# Altium PCB ZYNQ_JTY_16CH.PcbDoc (part 3 of 4) (continued)
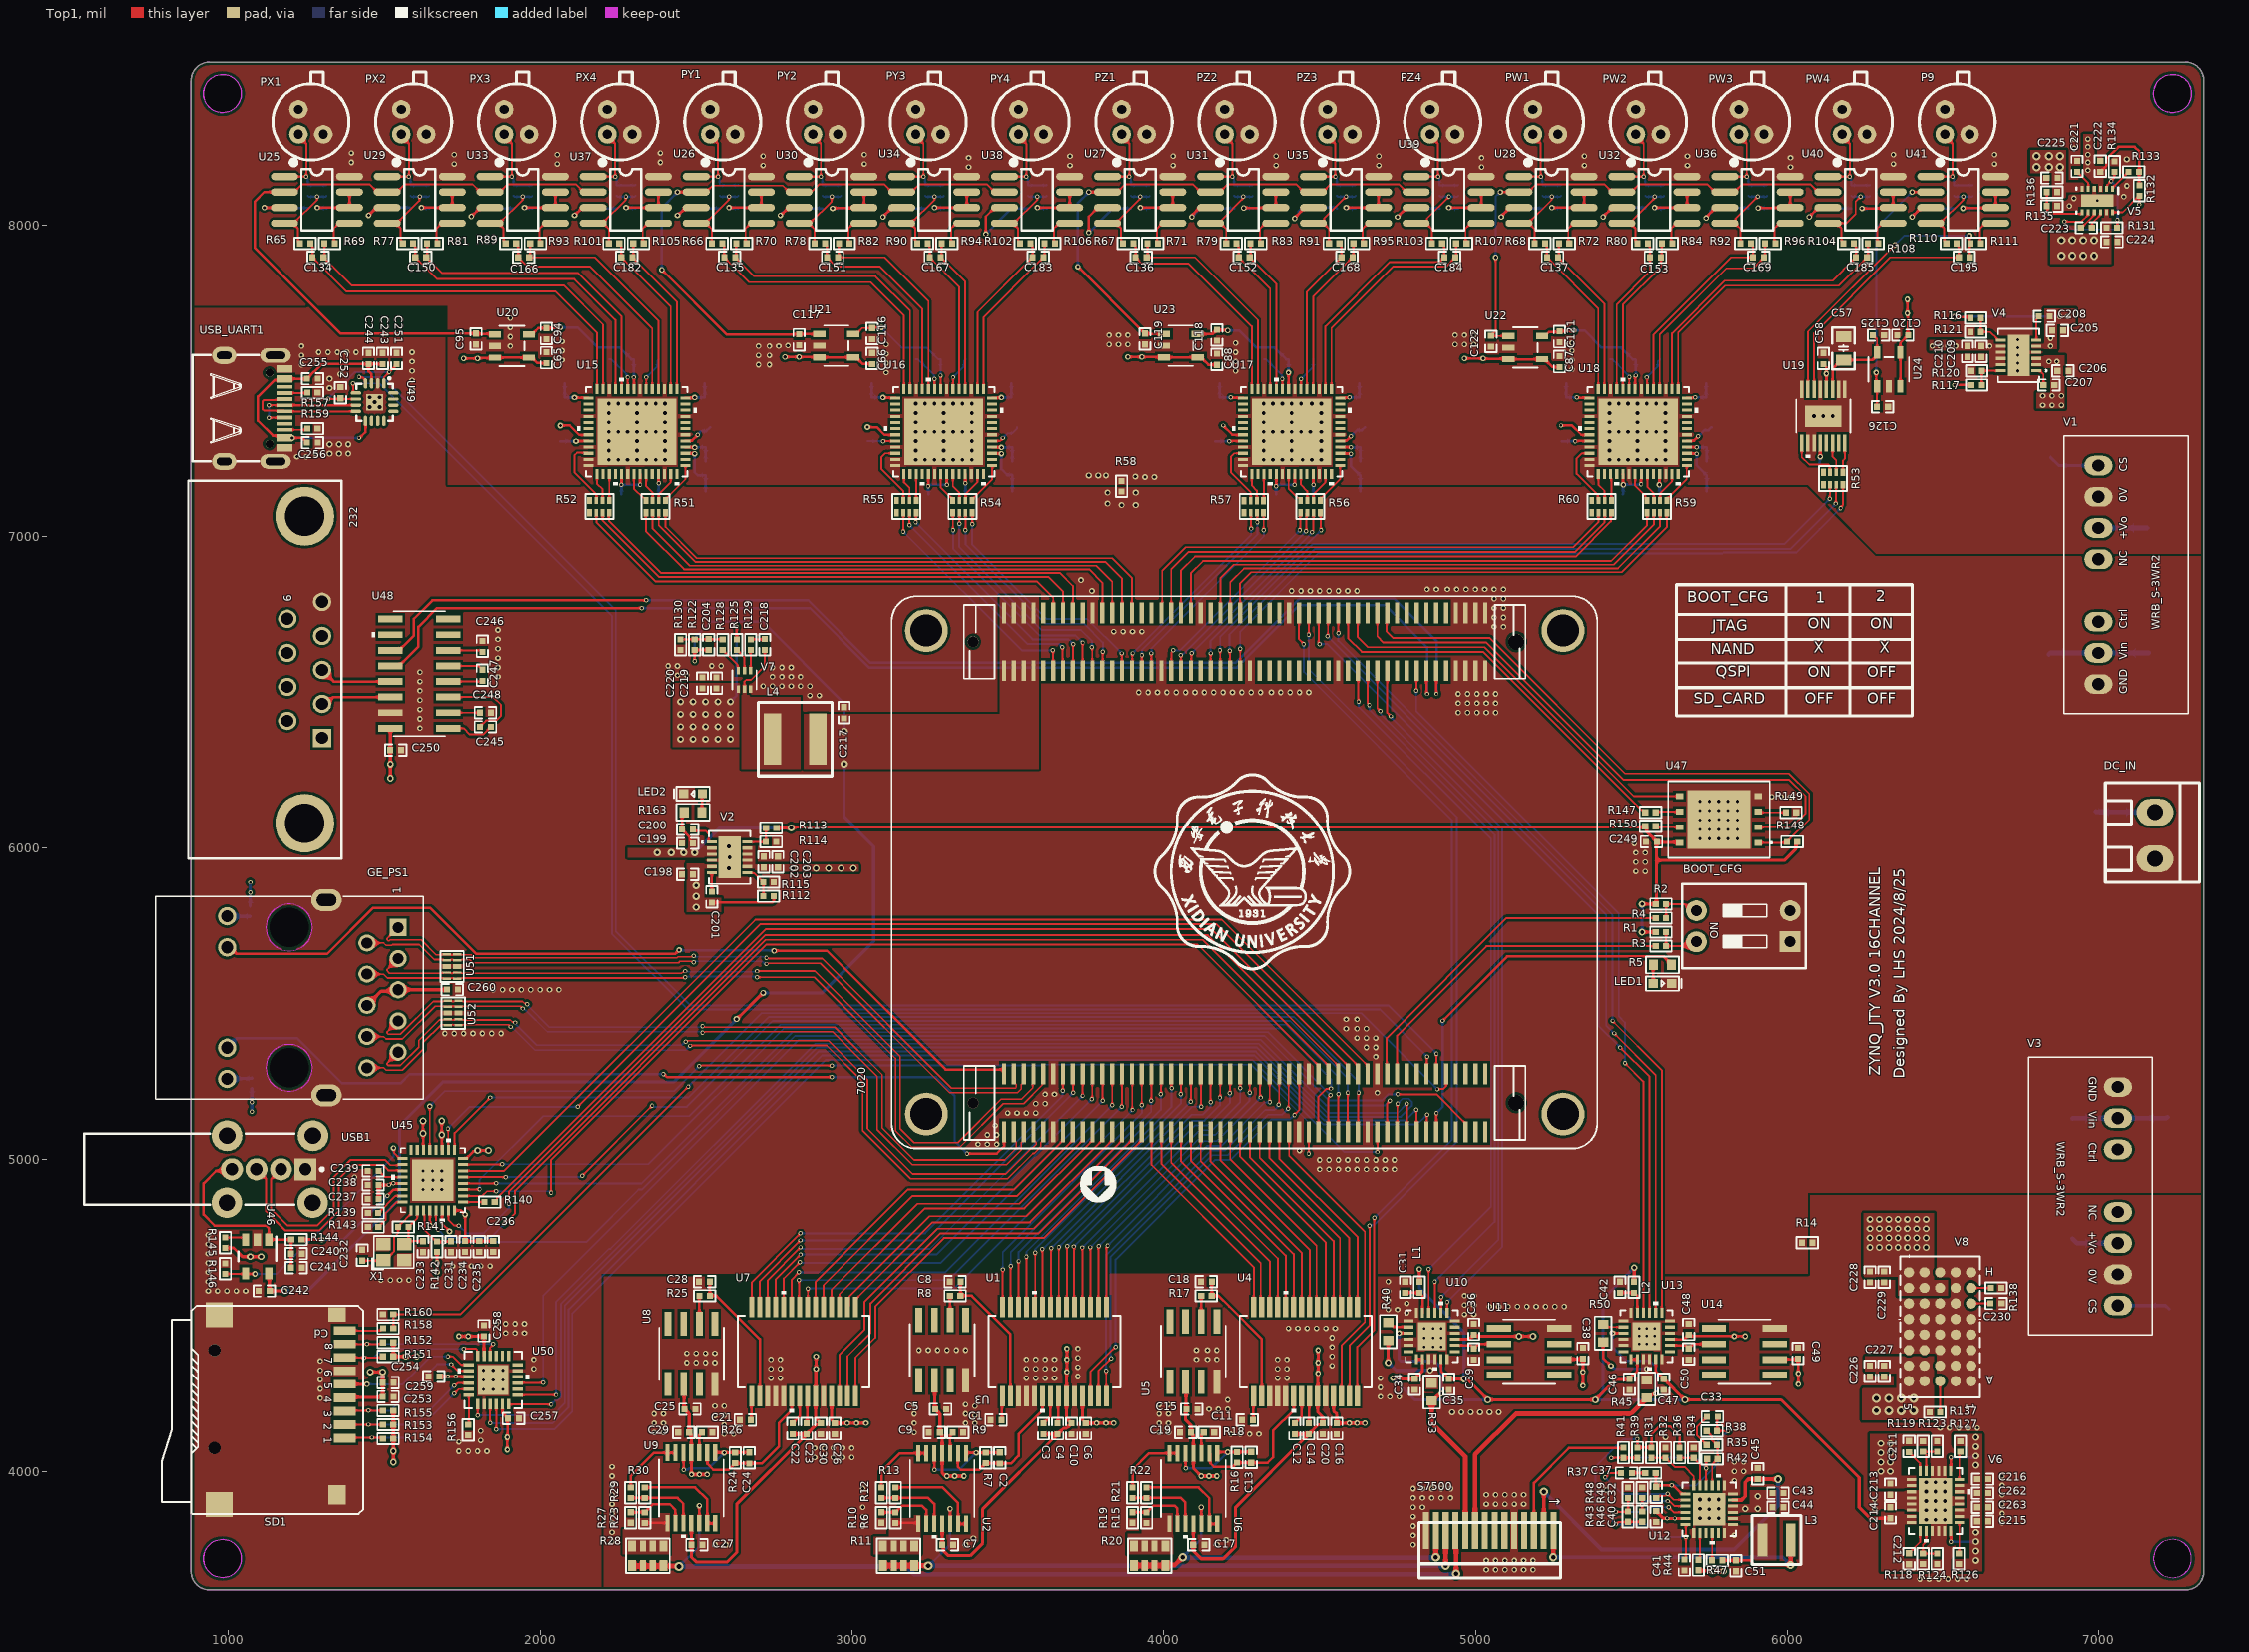
[diagram p0: Top1 view]
## Nets (pads, with @x,y where several pads share a name; then routed paths per layer and width w, separated by ;. In a path a pad name is that pad's centre, name@x,y a point inside that pad or via, vN(x,y) a via of type N, cw(c..) or ccw(c..) an arc to the next point about the centre after c; other vN are vias at no path point) (continued)
NetC163_2: C163.2 R86.2 R90.1 U34.4 | length 283
  Top1 w6: U34.4@3160,8005 U34.4@3186.73,8005 ; R90.1@3210,7940 3203.16,7946.84 3203.16,7988.57 U34.4@3186.73,8005 ; v2(3265,8090) 3264.69,8089.69 3264.69,8079.69 3190,8005 U34.4@3186.73,8005
  Bottom4 w6: R86.2@3235,8093.27 3238.27,8090 v2(3265,8090) 3292.72,8090 C163.2@3295,8092.28
NetC164_1: C164.1 PZ3.2 R87.1 U35.1 | length 306.1
  Top1 w6: U35.1@4480,8155 v2(4550,8155) 4550,8259.85 4525,8284.85 PZ3.2@4525,8290
  Bottom4 w6: v2(4550,8155) 4550,8152.84 4555,8147.84 R87.1@4555,8126.73 4614.02,8126.73 C164.1@4615,8127.72
NetC164_2: C164.2 R87.2 R91.1 U35.4 | length 280.4
  Top1 w6: U35.4@4480,8005 4506.32,8005 4514.46,8013.14 4514.46,8019.46 v2(4585,8090) ; U35.4@4510,8005 4511.5,8005 4530,7986.5 R91.1@4530,7940
  Bottom4 w6: R87.2@4555,8093.27 4558.27,8090 v2(4585,8090) 4612.72,8090 C164.2@4615,8092.28
NetC165_1: C165.1 PW3.2 R88.1 U36.1 | length 306.1
  Top1 w6: U36.1@5800,8155 v2(5870,8155) 5870,8259.85 5845,8284.85 PW3.2@5845,8290
  Bottom4 w6: v2(5870,8155) 5870,8152.84 5875,8147.84 R88.1@5875,8126.73 5934.02,8126.73 C165.1@5935,8127.72
NetC165_2: C165.2 R88.2 R92.1 U36.4 | length 277.4
  Top1 w6: U36.4@5800,8005 5826.32,8005 5834.46,8013.14 5834.46,8019.46 v2(5905,8090) ; U36.4@5835,8005 5835,8001.5 5850,7986.5 R92.1@5850,7940
  Bottom4 w6: R88.2@5875,8093.27 5878.27,8090 v2(5905,8090) 5932.72,8090 C165.2@5935,8092.28
NetC178_1: C178.1 PX4.2 R97.1 U37.1 | length 306.1
  Top1 w6: U37.1@2170,8155 v2(2240,8155) 2240,8259.85 2215,8284.85 PX4.2@2215,8290
  Bottom4 w6: v2(2240,8155) 2240,8152.84 2245,8147.84 R97.1@2245,8126.73 2304.01,8126.73 C178.1@2305,8127.72
NetC178_2: C178.2 R97.2 R101.1 U37.4 | length 253.2
  Top1 w6: R101.1@2220,7940 2220,7986.5 2201.5,8005 2199.54,8005 2273.47,8078.93 2273.47,8088.47 v2(2275,8090)
  Bottom4 w6: R97.2@2245,8093.27 2248.27,8090 v2(2275,8090) 2302.72,8090 C178.2@2305,8092.28
NetC179_1: C179.1 PY4.2 R98.1 U38.1 | length 306.1
  Top1 w6: U38.1@3490,8155 v2(3560,8155) 3560,8259.85 3535,8284.85 PY4.2@3535,8290
  Bottom4 w6: v2(3560,8155) 3560,8152.84 3565,8147.84 R98.1@3565,8126.73 3624.01,8126.73 C179.1@3625,8127.72
NetC179_2: C179.2 R98.2 R102.1 U38.4 | length 309.7
  Top1 w6: R102.1@3540,7940 3533.16,7946.84 3533.16,7988.57 3516.73,8005 U38.4@3490,8005 3520,8005 3594.69,8079.69 3594.69,8089.69 v2(3595,8090)
  Bottom4 w6: R98.2@3565,8093.27 3568.27,8090 v2(3595,8090) 3622.72,8090 C179.2@3625,8092.28
NetC180_1: C180.1 PZ4.2 R99.1 U39.1 | length 306.1
  Top1 w6: U39.1@4810,8155 v2(4880,8155) 4880,8259.85 4855,8284.85 PZ4.2@4855,8290
  Bottom4 w6: v2(4880,8155) 4880,8152.84 4885,8147.84 R99.1@4885,8126.73 4944.01,8126.73 C180.1@4945,8127.72
NetC180_2: C180.2 R99.2 R103.1 U39.4 | length 278.9
  Top1 w6: U39.4@4810,8005 4836.32,8005 4844.46,8013.14 4844.46,8019.46 v2(4915,8090) ; U39.4@4841.5,8005 4860,7986.5 R103.1@4860,7940
  Bottom4 w6: R99.2@4885,8093.27 4888.27,8090 v2(4915,8090) 4942.72,8090 C180.2@4945,8092.28
NetC181_1: C181.1 PW4.2 R100.1 U40.1 | length 306.1
  Top1 w6: U40.1@6130,8155 v2(6200,8155) 6200,8259.85 6175,8284.85 PW4.2@6175,8290
  Bottom4 w6: v2(6200,8155) 6200,8152.84 6205,8147.84 R100.1@6205,8126.73 6264.02,8126.73 C181.1@6265,8127.72
NetC181_2: C181.2 R100.2 R104.1 U40.4 | length 327.3
  Top1 w6: R104.1@6180,7940 6173.16,7946.84 6173.16,7988.57 6156.73,8005 U40.4@6130,8005 6190,8005 6219,8034 6219,8074 v2(6235,8090)
  Bottom4 w6: R100.2@6205,8093.27 6208.27,8090 v2(6235,8090) 6262.72,8090 C181.2@6265,8092.28
NetC194_1: C194.1 P9.2 R109.1 U41.1 | length 306.1
  Top1 w6: U41.1@6460,8155 v2(6530,8155) 6530,8259.85 6505,8284.85 P9.2@6505,8290
  Bottom4 w6: v2(6530,8155) 6530,8152.84 6535,8147.84 R109.1@6535,8126.73 6594.02,8126.73 C194.1@6595,8127.72
NetC194_2: C194.2 R109.2 R110.1 U41.4 | length 280.7
  Top1 w6: U41.4@6460,8005 6486.73,8005 6490,8005 6564.69,8079.69 6564.69,8089.69 v2(6565,8090) ; U41.4@6488.36,8003.36 6503.16,7988.57 6503.16,7946.84 R110.1@6510,7940
  Bottom4 w6: R109.2@6535,8093.27 6538.27,8090 v2(6565,8090) 6592.72,8090 C194.2@6595,8092.28
NetC200_1: C200.1 V2.1 | length 91.2
  Top1 w6: C200.1@2490,6060 2494.97,6055.03 2529.97,6055.03 2539.8,6045.2 2539.8,6021.21 2541.8,6019.21 V2.1@2550.28,6019.21
NetC201_1: C201.1 V2.6 | length 60.9
  Top1 w8: C201.1@2550,5860 2550,5920.5 V2.6@2550.28,5920.79
NetC204_1: C204.1 R122.1 R128.1 R130.2 | length 135
  Top1 w6: R130.2@2450,6670 R122.1@2495,6670 R128.1@2585,6670
NetC207_1: C207.1 V4.1 | length 61.6
  Top1 w6: V4.1@6799.72,7530.79 6810.72,7530.79 6822.28,7519.22 C207.1@6822.28,7485
NetC208_1: C208.1 V4.6 | length 79.9
  Top1 w6: V4.6@6799.72,7629.21 6799.72,7695.15 C208.1@6809.57,7705
NetC211_1: C211.1 V6.28 | length 75.6
  Top1 w6: C211.1@6390,4062.28 6425.79,4026.5 V6.28@6425.79,4001.55
NetC212_1: C212.1 V6.9 | length 85.4
  Top1 w6: C212.1@6390,3737.84 6425.79,3773.63 V6.9@6425.79,3808.45
NetC218_1: C218.1 R129.1 | length 45.5
  Top1 w6: R129.1@2675,6670 2718.89,6670 C218.1@2720,6671.11
NetC218_2: C218.2 L4.1 V7.2 | length 161.1
  Top1 w6: V7.2@2655,6510.5 2655,6535 2660,6540 2675.41,6540 2720,6584.59 C218.2@2720,6635.68
NetC221_1: C221.1 V5.5 | length 69.7
  Top1 w6: C221.1@6930,8169.57 6965.94,8133.62 V5.5@6965.94,8114.8
NetC223_1: C223.1 V5.9 | length 68.6
  Top1 w6: C223.1@6942.28,7990 6949.13,7996.84 6950.28,7996.84 6983.71,8030.27 6983.71,8038.08 V5.9@6985.63,8040
NetC223_2: C223.2 V5.10 | length 61.4
  Top1 w6: C223.2@6977.72,7990 6978.45,7990.73 6978.45,8005.33 7003.39,8030.27 7003.39,8038.08 V5.10@7005.32,8040
NetC230_1: C230.1 V8.F1 | length 62.3
  Top1 w6: V8.F1@6590,4540 C230.1@6652.28,4540
NetC232_2: C232.2 R141.2 U45.25 X1.1 | length 268.4
  Top1 w6: C232.2@1430,4677.28 1496.54,4677.28 X1.1@1498.07,4678.82 1514.76,4695.5 1520.53,4695.5 1532.38,4707.36 1532.38,4753.41 1545,4766.04 R141.2@1545,4785 1551.84,4791.84 1551.84,4792.84 1586.5,4827.5 U45.25@1586.5,4838.5
NetC233_2: C233.2 R141.1 U45.26 X1.3 | length 175.7
  Top1 w6: X1.3@1565,4730 X1.3@1575,4740 ; U45.26@1606.5,4838.5 1606.5,4813.04 R141.1@1578.46,4785 1578.46,4743.46 X1.3@1575,4740 ; C233.2@1625,4740 X1.3@1575,4740
NetC239_2: C239.2 U45.20 | length 85.7
  Top1 w6: C239.2@1482.59,4965 1502.59,4945 U45.20@1560,4945
NetC245_1: C245.1 U48.1 | length 155.4
  Top1 w6: U48.1@1706,6385 1755,6385 1775,6365 1817.72,6365 C245.1@1842.72,6390
NetC245_2: C245.2 U48.3 | length 296.6
  Top1 w6: U48.3@1706,6485 1850,6485 1875,6460 1875,6425 1860,6410 1827.28,6410 C245.2@1807.28,6390
NetC246_1: C246.1 U48.6 | length 111.1
  Top1 w6: U48.6@1706,6635 1810,6635 C246.1@1815,6630
NetC247_1: C247.1 U48.5 | length 114.1
  Top1 w6: U48.5@1706,6585 1802.72,6585 C247.1@1815,6572.72
NetC247_2: C247.2 U48.4 | length 109.9
  Top1 w6: U48.4@1706,6535 1812.72,6535 C247.2@1815,6537.28
NetC248_1: C248.1 U48.2 | length 101.3
  Top1 w6: U48.2@1706,6435 C248.1@1807.28,6435
NetC251_2: C251.2 C252.2 U49.1 U49.6 | length 406.4
  Top1 w6: v2(1320,7440) 1357.72,7440 C252.2@1360,7442.28 1362.53,7439.76 U49.6@1409.76,7439.76 ; U49.1@1499.37,7490 1499.56,7490.19 1499.56,7509.56 v2(1516.36,7526.36) 1533.16,7543.16 1533.16,7548.83 C251.2@1540,7555.67
  Bottom4 w6: v2(1320,7440) 1406.36,7526.36 v2(1516.36,7526.36)
NetC260_1: C260.1 GE_PS1.5 GE_PS1.6 | length 277.4
  Top1 w10: GE_PS1.6@1445,5495 1490.23,5540.23 1540.23,5540.23 GE_PS1.5@1545,5545 1545.16,5545.15 1701.38,5545.15 C260.1@1701.53,5545.31
NetE2_1: E2.1 V1.8 | length 164.7
  Bottom4 w10: E2.1@6845,7253.11 6871.49,7226.62 V1.8@6998.74,7226.62
NetE6_1: E6.1 V3.8 | length 168.5
  Bottom4 w10: V3.8@7061.26,4533.38 7213.51,4533.38 E6.1@7225,4521.89
NetGE_PS1_11: GE_PS1.11 R161.1 | length 74.6
  Bottom4 w10: GE_PS1.11@995.79,5781.02 996.3,5780.51 1069.49,5780.51 R161.1@1070,5780
NetGE_PS1_14: GE_PS1.14 R162.2 | length 80.4
  Bottom4 w10: GE_PS1.14@995.79,5258.98 997.17,5260.35 1073.62,5260.35 R162.2@1075,5261.73
NetL3_2: L3.2 U12.14
NetLED1_1: LED1.1 R5.2 | length 60.6
  Top1 w8: LED1.1@5570,5565 5570,5623.54 R5.2@5571.46,5625
NetLED2_1: LED2.1 R163.2 | length 60.6
  Top1 w8: R163.2@2518.54,6115 2518.54,6173.54 LED2.1@2520,6175
NetR1_1: BOOT_CFG.4 R1.1 R3.1 | length 148
  Top1 w6: R1.1@5611.73,5730 R3.1@5611.73,5685 5678.51,5685 5692.45,5698.94 BOOT_CFG.4@5708.94,5698.94
NetR2_1: BOOT_CFG.3 R2.1 R4.1 | length 150.9
  Top1 w6: R4.1@5611.73,5775 R2.1@5611.73,5820 5671.39,5820 5692.45,5798.94 BOOT_CFG.3@5708.94,5798.94
NetR6_1: R6.1 R10.2 U2.9 | length 203
  Top1 w8: R10.2@3095,3868.72 3095.13,3868.59 3139.87,3868.59 R6.1@3140,3868.46 3161.54,3890 3225,3890 3238.82,3876.18 U2.9@3238.82,3831.7
NetR6_2: R6.2 R11.5 R11.6 R11.7 R11.8 U2.8 | length 74.8
  Top1 w8: R6.2@3140,3835 3210.32,3835 3213.23,3832.09 U2.8@3213.23,3831.7
NetR8_1: R8.1 U3.6 | length 78
  Top1 w8: U3.6@3315,4487 R8.1@3315,4565
NetR9_2: R9.2 U2.3 | length 69.9
  Top1 w8: U2.3@3315.59,4058.3 3315.59,4117.32 R9.2@3323.27,4125
NetR12_1: R12.1 U2.6 U2.7 | length 219.8
  Top1 w8: R12.1@3095,3948.21 3095,4000 3153.3,4058.3 U2.7@3213.23,4058.3 U2.6@3238.82,4058.3
NetR12_2: R12.2 R13.1 U2.10 | length 241.4
  Top1 w8: R12.2@3095,3914.75 3095.13,3914.87 3139.87,3914.87 R13.1@3140,3915 3245,3915 3264.41,3895.59 U2.10@3264.41,3831.7
NetR13_2: R13.2 U2.13 U2.14 | length 314.5
  Top1 w8: R13.2@3140,3948.46 3291.54,3948.46 3341.18,3898.82 U2.13@3341.18,3831.7 U2.14@3366.77,3831.7
NetR15_1: R15.1 R19.2 U6.9 | length 206
  Top1 w8: R19.2@3900,3868.72 3900.13,3868.59 3944.87,3868.59 R15.1@3945,3868.46 3966.54,3890 4035,3890 4043.82,3881.18 U6.9@4043.82,3831.7
NetR15_2: R15.2 R20.5 R20.6 R20.7 R20.8 U6.8
NetR17_1: R17.1 U5.6 | length 83
  Top1 w8: U5.6@4120,4482 R17.1@4120,4565
NetR18_2: R18.2 U6.3 | length 69.9
  Top1 w8: U6.3@4120.59,4058.3 4120.59,4117.32 R18.2@4128.27,4125
NetR21_1: R21.1 U6.6 U6.7 | length 222.7
  Top1 w8: R21.1@3900,3948.21 3900,4005 3953.3,4058.3 U6.7@4018.23,4058.3 U6.6@4043.82,4058.3
NetR21_2: R21.2 R22.1 U6.10 | length 244.4
  Top1 w8: R21.2@3900,3914.75 3900.13,3914.87 3944.87,3914.87 R22.1@3945,3915 4055,3915 4069.41,3900.59 U6.10@4069.41,3831.7
NetR22_2: R22.2 U6.13 U6.14 | length 323.2
  Top1 w8: R22.2@3945,3948.46 4111.54,3948.46 4146.18,3913.82 U6.13@4146.18,3831.7 U6.14@4171.77,3831.7
NetR23_1: R23.1 R27.2 U9.9 | length 205.2
  Top1 w8: R27.2@2290,3868.72 2290.13,3868.59 2334.87,3868.59 R23.1@2335,3868.46 2361.54,3895 2415,3895 2433.23,3876.77 U9.9@2433.23,3833.4
NetR23_2: R23.2 R28.5 R28.6 R28.7 R28.8 U9.8 | length 73.3
  Top1 w8: R23.2@2335,3835 2406.04,3835 U9.8@2407.64,3833.4
NetR25_1: R25.1 U8.6 | length 90
  Top1 w8: U8.6@2510,4475 R25.1@2510,4565
NetR26_2: R26.2 U9.3 | length 68.4
  Top1 w8: U9.3@2510,4060 2510,4116.73 R26.2@2518.27,4125
NetR29_1: R29.1 U9.6 U9.7 | length 211.1
  Top1 w8: R29.1@2290,3948.21 2290,3985 2365,4060 U9.7@2407.64,4060 U9.6@2433.23,4060
NetR29_2: R29.2 R30.1 U9.10 | length 239.5
  Top1 w8: R29.2@2290,3914.75 2290.13,3914.87 2334.87,3914.87 R30.1@2335,3915 2440,3915 2458.82,3896.18 U9.10@2458.82,3833.4
NetR30_2: R30.2 U9.13 U9.14 | length 318.4
  Top1 w8: R30.2@2335,3948.46 2496.54,3948.46 2535.59,3909.41 U9.13@2535.59,3833.4 U9.14@2561.18,3833.4
NetR31_2: R31.2 R32.2 U12.24 | length 189.3
  Top1 w6: R31.2@5565,4043.27 R32.2@5610,4043.27 5639.31,4013.96 5671.04,4013.96 5700.31,3984.68 U12.24@5700.31,3955
NetR33_1: R33.1 R40.1 U10.9 U10.10 | length 216.8
  Top1 w10: v3(4720,4350) R40.1@4720,4421.46
  Bottom4 w10: v3(4720,4350) 4745,4325 v3(4855,4325)
NetR34_2: R34.2 R36.2 U12.23 | length 141.6
  Top1 w6: R36.2@5655,4043.27 R34.2@5700,4043.27 5720,4023.27 U12.23@5720,3955
NetR35_2: R35.2 R38.2 R42.2 U12.21 | length 196.8
  Top1 w6: R38.2@5741.54,4130 5758.27,4113.27 5758.27,4101.73 R35.2@5775,4085 5776.73,4083.27 R42.2@5776.73,4040 5759.37,4022.64 U12.21@5759.37,3955
NetR39_2: R39.2 R41.2 R42.1 U12.22 | length 489.8
  Top1 w6: v2@5435,4045 v2(5436.31,4043.69) 5474.58,4043.69 R41.2@5475,4043.27 ; U12.22@5739.69,3955 5739.69,4036.42 R42.1@5743.27,4040
  Top1 w8: R41.2@5475,4043.27 R39.2@5520,4043.27
  Bottom4 w6: v2(5436.31,4043.69) 5706.31,4043.69 v2(5740,4010)
NetR40_2: R40.2 U10.2 | length 71.3
  Top1 w8: R40.2@4720,4478.54 4721.97,4478.54 4735.98,4464.53 U10.2@4785.5,4464.53
NetR43_1: R43.1 R48.2 U12.4 | length 320
  Top1 w6: v2(5450,3870) 5488.27,3870 R43.1@5490,3871.73 R48.2@5490,3915 ; v2(5620,3885) 5636.34,3868.66 U12.4@5673.03,3868.66
  Bottom4 w6: v2(5450,3870) 5540,3870 5555,3885 v2(5620,3885)
NetR44_2: R44.2 U12.8 | length 87.3
  Top1 w6: R44.2@5715,3716.73 5720,3721.73 U12.8@5720,3802
NetR45_1: R45.1 R50.1 U13.9 U13.10 | length 206
  Top1 w8: R50.1@5410,4416.46 5410,4365 v1(5435,4340)
  Bottom4 w8: v1(5435,4340) 5445,4330 v1(5550,4330)
NetR46_1: R46.1 R49.2 U12.3 | length 192.8
  Top1 w6: R46.1@5535,3871.73 R49.2@5535,3915 ; v2(5617.14,3904.79) 5618.67,3903.26 5624.77,3903.26 5639.69,3888.34 U12.3@5673.03,3888.34
  Bottom4 w6: v2(5535,3893.37) 5546.43,3904.79 v2(5617.14,3904.79)
NetR47_2: R47.2 U12.10 | length 87.5
  Top1 w6: R47.2@5758.27,3715 5759.37,3716.1 U12.10@5759.37,3802
NetR50_2: R50.2 U13.2 | length 64.5
  Top1 w6: R50.2@5410,4464.53 U13.2@5474.5,4464.53
NetR51_1: R51.1 U15.41 | length 138.6
  Top1 w6: R51.1@2401.5,7114.69 2401.5,7118.62 2465.5,7182.63 U15.41@2465.5,7226.73
NetR51_2: R51.2 U15.39 | length 100.2
  Top1 w6: R51.2@2379.84,7114.69 2379.84,7134.84 2418.27,7173.27 U15.39@2418.27,7199
NetR51_3: R51.3 U15.35 | length 92.9
  Top1 w6: U15.35@2339.53,7199 2339.53,7160.47 2360.16,7139.84 R51.3@2360.16,7114.69
NetR51_4: R51.4 U15.33 | length 102.5
  Top1 w6: U15.33@2300.16,7199 2300.16,7153.03 2329.69,7123.5 2333.63,7123.5 2338.5,7118.62 R51.4@2338.5,7114.69
NetR52_1: R52.1 U15.29 | length 84.3
  Top1 w6: U15.29@2221.42,7199 2221.42,7114.76 R52.1@2221.5,7114.69
NetR52_2: R52.2 U15.27 | length 91.7
  Top1 w6: U15.27@2182.05,7199 2182.05,7167.95 2199.84,7150.16 R52.2@2199.84,7114.69
NetR52_3: R52.3 U15.24 | length 223.1
  Top1 w6: U15.24@2154.5,7266.1 2152.5,7268.1 2118.1,7268.1 2110,7260 2110,7205 2180.16,7134.84 R52.3@2180.16,7114.69
NetR53_2: R53.2 U19.14 | length 98.9
  Top1 w6: U19.14@6144.53,7299 6144.53,7255.47 6156.34,7243.66 R53.2@6156.34,7205
NetR54_1: R54.1 U16.41 | length 138.6
  Top1 w6: R54.1@3386.5,7114.69 3386.5,7118.62 3450.5,7182.63 U16.41@3450.5,7226.73
NetR54_2: R54.2 U16.39 | length 100.2
  Top1 w6: R54.2@3364.84,7114.69 3364.84,7134.84 3403.27,7173.27 U16.39@3403.27,7199
NetR54_3: R54.3 U16.35 | length 92.9
  Top1 w6: U16.35@3324.53,7199 3324.53,7160.47 3345.16,7139.84 R54.3@3345.16,7114.69
NetR54_4: R54.4 U16.33 | length 100.3
  Top1 w6: U16.33@3285.16,7199 3285,7198.84 3285,7157.13 3323.5,7118.62 R54.4@3323.5,7114.69
NetR55_1: R55.1 U16.29 | length 84.3
  Top1 w6: U16.29@3206.42,7199 3206.46,7198.96 R55.1@3206.5,7114.69 R55.1@3206.5,7114.69
NetR55_2: R55.2 U16.27 | length 91.8
  Top1 w6: U16.27@3167.05,7199 3167.05,7172.95 3185,7155 3185,7114.84 R55.2@3184.84,7114.69
NetR55_3: R55.3 U16.24 | length 218.5
  Top1 w6: U16.24@3139.5,7266.1 3106.1,7266.1 3095,7255 3095,7215 3165.16,7144.84 R55.3@3165.16,7114.69
NetR56_1: R56.1 U17.41 | length 138.6
  Top1 w6: R56.1@4501.5,7114.69 4501.5,7118.62 4565.5,7182.63 U17.41@4565.5,7226.73
NetR56_2: R56.2 U17.39 | length 100.2
  Top1 w6: R56.2@4479.84,7114.69 4479.84,7134.84 4518.27,7173.27 U17.39@4518.27,7199
NetR56_3: R56.3 U17.35 | length 92.9
  Top1 w6: U17.35@4439.53,7199 4439.53,7165.47 4460.16,7144.84 R56.3@4460.16,7114.69
NetR56_4: R56.4 U17.33 | length 102.5
  Top1 w6: U17.33@4400.16,7199 4400.16,7153.03 4429.69,7123.5 4433.63,7123.5 4438.5,7118.62 R56.4@4438.5,7114.69
NetR57_1: R57.1 U17.29 | length 85.2
  Top1 w6: R57.1@4320,7114.37 4320.71,7115.08 4320.71,7198.29 U17.29@4321.42,7199
NetR57_2: R57.2 U17.27 | length 91.4
  Top1 w6: U17.27@4282.05,7199 4282.05,7162.95 4298.35,7146.65 R57.2@4298.35,7114.37
NetR57_3: R57.3 U17.24 | length 211.1
  Top1 w6: U17.24@4254.5,7266.1 4226.1,7266.1 4215,7255 4215,7205 4278.66,7141.34 R57.3@4278.66,7114.37
NetR59_1: R59.1 U18.41 | length 138.6
  Top1 w6: R59.1@5613.9,7114.68 5613.9,7118.62 5677.9,7182.62 U18.41@5677.9,7226.73
NetR59_2: R59.2 U18.39 | length 100.2
  Top1 w6: R59.2@5592.25,7114.68 5592.25,7137.25 5630.67,7175.67 U18.39@5630.67,7199
NetR59_3: R59.3 U18.35 | length 92.9
  Top1 w6: U18.35@5551.93,7199 5551.93,7158.07 5572.56,7137.44 R59.3@5572.56,7114.68
NetR59_4: R59.4 U18.33 | length 100.2
  Top1 w6: U18.33@5512.56,7199 5512.56,7162.44 5546.03,7128.97 5546.03,7119.56 R59.4@5550.91,7114.68
NetR60_1: R60.1 U18.29 | length 85.4
  Top1 w6: U18.29@5433.82,7199 5433.82,7188 5436.5,7185.32 R60.1@5436.5,7114.69
NetR60_2: R60.2 U18.27 | length 92.8
  Top1 w6: U18.27@5394.45,7199 5395,7198.45 5395,7165 5414.84,7145.16 R60.2@5414.84,7114.69
NetR60_3: R60.3 U18.24 | length 212.9
  Top1 w6: U18.24@5366.9,7266.1 5341.1,7266.1 5325,7250 5325,7200 5392.25,7132.75 5392.25,7117.59 R60.3@5395.16,7114.69
NetR69_1: R69.1 U25.5 | length 107.2
  Top1 w6: R69.1@1341.73,7940 1338.49,7943.25 1338.49,7988.49 1355,8005 U25.5@1388.98,8005
NetR70_1: R70.1 U26.5 | length 107.2
  Top1 w6: R70.1@2661.73,7940 2658.49,7943.25 2658.49,7988.49 2675,8005 U26.5@2708.98,8005
NetR71_1: R71.1 U27.5 | length 107.2
  Top1 w6: R71.1@3981.73,7940 3978.49,7943.25 3978.49,7988.49 3995,8005 U27.5@4028.98,8005
NetR72_1: R72.1 U28.5 | length 107.2
  Top1 w6: R72.1@5301.73,7940 5298.49,7943.25 5298.49,7988.49 5315,8005 U28.5@5348.98,8005
NetR81_1: R81.1 U29.5 | length 107.2
  Top1 w6: R81.1@1671.73,7940 1668.49,7943.25 1668.49,7988.49 1685,8005 U29.5@1718.98,8005
NetR82_1: R82.1 U30.5 | length 107.2
  Top1 w6: R82.1@2991.73,7940 2988.49,7943.25 2988.49,7988.49 3005,8005 U30.5@3038.98,8005
NetR83_1: R83.1 U31.5 | length 107.2
  Top1 w6: R83.1@4311.73,7940 4308.49,7943.25 4308.49,7988.49 4325,8005 U31.5@4358.98,8005
NetR84_1: R84.1 U32.5 | length 107.2
  Top1 w6: R84.1@5631.73,7940 5628.49,7943.25 5628.49,7988.49 5645,8005 U32.5@5678.98,8005
NetR93_1: R93.1 U33.5 | length 107.2
  Top1 w6: R93.1@2001.73,7940 1998.49,7943.25 1998.49,7988.49 2015,8005 U33.5@2048.98,8005
NetR94_1: R94.1 U34.5 | length 107.2
  Top1 w6: R94.1@3321.73,7940 3318.49,7943.25 3318.49,7988.49 3335,8005 U34.5@3368.98,8005
NetR95_1: R95.1 U35.5 | length 107.2
  Top1 w6: R95.1@4641.73,7940 4638.49,7943.25 4638.49,7988.49 4655,8005 U35.5@4688.98,8005
NetR96_1: R96.1 U36.5 | length 107.2
  Top1 w6: R96.1@5961.73,7940 5958.49,7943.25 5958.49,7988.49 5975,8005 U36.5@6008.98,8005
NetR105_1: R105.1 U37.5 | length 107.2
  Top1 w6: R105.1@2331.73,7940 2328.49,7943.25 2328.49,7988.49 2345,8005 U37.5@2378.98,8005
NetR106_1: R106.1 U38.5 | length 107.2
  Top1 w6: R106.1@3651.73,7940 3648.49,7943.25 3648.49,7988.49 3665,8005 U38.5@3698.98,8005
NetR107_1: R107.1 U39.5 | length 107.2
  Top1 w6: R107.1@4971.73,7940 4968.49,7943.25 4968.49,7988.49 4985,8005 U39.5@5018.98,8005
NetR108_1: R108.1 U40.5 | length 107.2
  Top1 w6: R108.1@6291.73,7940 6288.49,7943.25 6288.49,7988.49 6305,8005 U40.5@6338.98,8005
NetR111_1: R111.1 U41.5 | length 107.2
  Top1 w6: R111.1@6621.73,7940 6618.49,7943.25 6618.49,7988.49 6635,8005 U41.5@6668.98,8005
NetR112_1: R112.1 R115.2 V2.7 | length 109
  Top1 w6: V2.7@2664.28,5920.79 2666.28,5918.79 2686.76,5918.79 R115.2@2715.55,5890 R112.1@2715.55,5845
NetR113_1: R113.1 R114.2 V2.12 | length 105
  Top1 w6: V2.12@2664.28,6019.21 2723.03,6019.21 R114.2@2723.82,6020 2723.82,6064.75 R113.1@2724.07,6065
NetR116_1: R116.1 R121.2 V4.7 | length 121.8
  Top1 w6: R116.1@6620.93,7700 6620.93,7655.25 R121.2@6621.18,7655 6651.44,7655 6672.72,7633.73 6672.72,7631.21 6674.72,7629.21 V4.7@6685.72,7629.21
NetR117_1: R117.1 R120.2 V4.12 | length 106.6
  Top1 w6: R117.1@6624.45,7485 R120.2@6624.45,7530 6625.24,7530.79 V4.12@6685.72,7530.79
NetR118_1: R118.1 R124.2 V6.10 | length 121.2
  Top1 w6: V6.10@6445.47,3808.45 6445.47,3775.78 6435,3765.31 R118.1@6435,3736.73 6479.75,3736.73 R124.2@6480,3736.99
NetR119_1: R119.1 R123.2 V6.27 | length 110.9
  Top1 w6: R119.1@6435,4063.39 R119.1@6435.25,4063.14 ; V6.27@6445.47,4001.55 6445.47,4052.92 R119.1@6435.25,4063.14 ; R123.2@6480,4063.14 R119.1@6435.25,4063.14
NetR125_2: R125.2 V7.5 | length 77.4
  Top1 w6: R125.2@2630,6636.54 2655,6611.54 V7.5@2655,6569.5
NetR126_1: R126.1 V6.15 | length 100.1
  Top1 w6: R126.1@6550,3736.73 6551.87,3738.6 V6.15@6551.87,3836.1
NetR127_1: R127.1 V6.22 | length 90.7
  Top1 w6: V6.22@6551.87,3973.9 6551.87,4060.13 R127.1@6555,4063.27
NetR128_2: R128.2 V7.6 | length 87.9
  Top1 w6: R128.2@2585,6636.54 2632.81,6588.72 2632.81,6572 V7.6@2635.31,6569.5
NetR129_2: R129.2 V7.4 | length 67.2
  Top1 w6: V7.4@2674.68,6569.5 2674.68,6636.22 R129.2@2675,6636.54
NetR131_1: R131.1 R134.2 V5.2 | length 225.3
  Top1 w6: V5.2@7025,8114.8 7026.92,8116.72 7026.92,8128.08 7050,8151.16 R134.2@7050,8170 ; R131.1@7058.46,7990 7060,7991.54 v2(7060,8015)
  Bottom4 w6: v2(7039.42,8140.58) 7060,8120 v2(7060,8015)
NetR132_1: R132.1 V5.8 V5.12 | length 526.7
  Top1 w6: v2(6890,8010) 6943.75,8010 6964.02,8030.27 6964.02,8038.08 V5.8@6965.94,8040 ; V5.12@7044.69,8040 7070,8040 7076.73,8040 R132.1@7130,8093.27 v2(7130,8065)
  Bottom4 w6: v2(6890,8010) 6915,7985 7075,7985 7130,8040 v2(7130,8065)
NetR133_1: R133.1 V5.1 | length 76.1
  Top1 w6: V5.1@7044.69,8114.8 7044.69,8119.72 R133.1@7088.12,8163.16 ; R133.1@7088.16,8163.16 R133.1@7095,8170
NetR135_1: R135.1 R136.2 V5.7 | length 180.1
  Top1 w6: R136.2@6833.01,8105 6833.27,8104.75 R135.1@6833.27,8060 6835.33,8057.94 6835.33,8044.67 6845,8035 6944.34,8035 6946.26,8036.92 V5.7@6946.26,8040
NetR137_2: R137.2 V8.A3 | length 100
  Top1 w6: R137.2@6490,4190 V8.A3@6490,4290
NetR138_2: R138.2 V8.G1 | length 63.3
  Top1 w6: V8.G1@6590,4590 R138.2@6653.27,4590
NetR139_1: R139.1 U45.23 | length 101.3
  Top1 w6: R139.1@1481.48,4830 1536.48,4885 U45.23@1560,4885
NetR140_2: R140.2 U45.1 | length 68.5
  Top1 w6: U45.1@1753,4865 R140.2@1821.54,4865
NetR143_2: R143.2 U45.24 | length 124.1
  Top1 w6: R143.2@1481.73,4785 1505,4808.27 1505,4830 1540,4865 U45.24@1560,4865
NetR145_2: R145.2 U46.3 | length 68
  Top1 w6: R145.2@990,4751.73 1048.46,4751.73 U46.3@1055.2,4745
NetR147_1: R147.1 U47.6 | length 77.4
  Top1 w6: R147.1@5578.46,6115 5580.46,6117 U47.6@5655,6117
NetR151_2: R151.2 SD1.7 U50.18 | length 522.3
  Top1 w6: SD1.7@1373.39,4366.34 1492.62,4366.34 R151.2@1496.28,4370 ; v2(1755,4394) 1756,4395 1794.76,4395 1798.28,4391.49 1798.28,4374.27 U50.18@1800.79,4371.76
  Bottom4 w6: v2(1435,4365) 1436.53,4366.53 1466.53,4366.53 1494,4394 v2(1755,4394)
NetR152_2: R152.2 SD1.8 U50.16 | length 572.4
  Top1 w6: SD1.8@1373.39,4409.65 1490.93,4409.65 R152.2@1496.28,4415 ; U50.16@1840.16,4371.76 1840.16,4397.99 1850,4407.84 v2(1850,4410)
  Bottom4 w6: v2(1445,4410) v2(1850,4410)
NetR153_2: R153.2 SD1.2 U50.22 | length 500.8
  Top1 w6: SD1.2@1373.39,4149.8 1496.09,4149.8 R153.2@1496.28,4150 ; v2(1725,4275) 1727.16,4275 1736.32,4284.15 U50.22@1772.24,4284.15
  Bottom4 w6: v2(1450,4150) 1600,4150 v2(1725,4275)
NetR154_2: R154.2 SD1.1 U50.23 | length 501
  Top1 w6: SD1.1@1373.39,4106.5 1375.14,4108.25 1493.03,4108.25 R154.2@1496.28,4105 ; v2(1725,4250) 1739.47,4264.47 U50.23@1772.24,4264.47
  Bottom4 w6: v2(1460.93,4108.25) 1583.25,4108.25 v2(1725,4250)
NetR155_2: R155.2 SD1.3 U50.20 | length 516.9
  Top1 w6: SD1.3@1373.39,4193.11 1375.28,4195 R155.2@1496.28,4195 ; v2(1715,4345) 1736.46,4323.54 U50.20@1772.24,4323.54
  Bottom4 w6: v2(1450,4195) 1520,4195 1670,4345 v2(1715,4345)
NetR156_1: R156.1 U50.24 | length 95.7
  Top1 w6: R156.1@1770,4150 1772.24,4152.24 U50.24@1772.24,4244.77
NetR157_2: R157.2 USB_UART1.4 | length 73.1
  Top1 w6: USB_UART1.4@1180.33,7459.21 1252.35,7459.21 R157.2@1253.14,7460
NetR158_1: R158.1 SD1.9 | length 126.1
  Top1 w6: SD1.9@1373.39,4452.95 1489.49,4452.95 R158.1@1496.54,4460
NetR159_2: R159.2 USB_UART1.10 | length 74.4
  Top1 w6: USB_UART1.10@1180.33,7341.1 1249.24,7341.1 R159.2@1253.14,7345
NetSD1_5: SD1.5 U50.19 | length 448.1
  Top1 w6: v2(1705,4370) 1720,4370 1746.78,4343.23 U50.19@1772.24,4343.23
  Top1 w10: SD1.5@1373.39,4279.72 1373.52,4279.86 1444.86,4279.86 v1(1445,4280)
  Bottom4 w6: v1(1445,4280) 1550,4280 1550.86,4279.14 1559.14,4279.14 1650,4370 v2(1705,4370)
OTG_CLK: 7020.J2_71 R140.1 | length 3310.1
  Top1 w6: R140.1@1855,4865 1861.84,4871.84 1861.84,4877.75 2724.09,5740 4152.57,5740 4590.99,5301.57 7020.J2_71@4590.99,5275
OTG_D_N: U45.19 USB1.3 | length 766.6
  Top1 w6.3: USB1.3@1090,4970 1121.22,4938.78 1121.22,4835.73 1183.25,4773.7 1291.75,4773.7 1355,4836.95 1355,4939.29 1399.71,4983.99 1496.22,4983.99 1513.36,4966.85 1558.15,4966.85 U45.19@1560,4965
OTG_D_P: U45.18 USB1.2 | length 739.6
  Top1 w6.3: USB1.2@1168.74,4970 1137.52,4938.78 1137.52,4842.48 1190,4790 1285,4790 1338.7,4843.7 1338.7,4946.04 1392.96,5000.29 1502.97,5000.29 1520.12,4983.15 1558.15,4983.15 U45.18@1560,4985
OTG_DATA0: 7020.J2_70 U45.3 | length 3287.9
  Top1 w6: U45.3@1753,4905 1753.7,4905.7 1805.29,4905.7 v2(1805.99,4906.41) ; 7020.J2_70@4559.49,5089.96 4559.75,5090.21 4559.75,5209.75 v2(4560,5210)
  Bottom4 w6: v2(1805.99,4906.41) 1805.99,4935.99 2010,5140 2478.03,5140 2771.03,5433 4392,5433 4560,5265 v2(4560,5210)
OTG_DATA1: 7020.J2_68 U45.4 | length 3186.8
  Top1 w6: U45.4@1753,4925 v2(1860,4925) ; 7020.J2_68@4527.99,5089.96 4527.99,5198.32 4535.19,5205.52 v2(4535.19,5207.68)
  Bottom4 w6: v2(1860,4925) 2325,4925 2809,5409 4333.87,5409 v2(4535.19,5207.68)
OTG_DATA2: 7020.J2_72 U45.5 | length 3293.8
  Top1 w6: U45.5@1753,4945 v2(1890,4945) ; v2(2135,4950) 2135.11,4950 2358.22,5173.11 v2(2358.33,5173.11) ; v2(4590,5215) 4590.5,5214.5 4590.5,5090.46 7020.J2_72@4590.99,5089.96
  Bottom4 w6: v2(1890,4945) 2127.84,4945 2132.84,4950 v2(2135,4950) ; v2(2358.33,5173.11) 2359.86,5171.58 2364.27,5171.58 2365.85,5170 2470,5170 2745,5445 4405,5445 4590,5260 v2(4590,5215)
OTG_DATA3: 7020.J2_75 U45.6 | length 3455
  Top1 w6: U45.6@1753,4965 1753.25,4965.25 1885.25,4965.25 2690,5770 4185.55,5770 4653.98,5301.57 7020.J2_75@4653.98,5275
OTG_DATA4: 7020.J2_66 U45.7 | length 3225.8
  Top1 w6: U45.7@1753,4985 1877.63,4985 v2(1878.81,4986.19) ; 7020.J2_66@4496.5,5089.96 4495.75,5090.71 4495.75,5201.88 4521.02,5227.15 4535.29,5227.15 v2(4536.82,5228.68)
  Bottom4 w6: v2(1878.81,4986.19) 2346.19,4986.19 2781,5421 4374,5421 4536.82,5258.18 v2(4536.82,5228.68)
OTG_DATA5: 7020.J2_74 U45.9 | length 3354.2
  Top1 w6: U45.9@1726.5,5031.5 1726.5,5085.82 v2(1840.68,5200) ; 7020.J2_74@4622.48,5089.96 4623.74,5091.22 4623.74,5214.37 v2(4625,5215.63)
  Bottom4 w6: v2(1840.68,5200) 2475,5200 2733,5458 4417,5458 4625,5250 v2(4625,5215.63)
OTG_DATA6: 7020.J2_73 U45.10 | length 3472.3
  Top1 w6: v2(1705,5100) 1705.75,5099.25 1705.75,5032.25 U45.10@1706.5,5031.5 ; v2(2120,5170) 2705,5755 4169.05,5755 4622.48,5301.57 7020.J2_73@4622.48,5275
  Bottom4 w6: v2(1705,5100) 1775,5170 v2(2120,5170)
OTG_DATA7: 7020.J2_64 U45.13 | length 3260.4
  Top1 w6: U45.13@1646.5,5031.5 v1(1646.51,5171.51) ; v2(2510,5300) 2511.53,5301.53 2517.05,5301.53 2517.51,5302 v2(2935,5302) ; v2(4465,5020) 7020.J2_64@4465,5089.96
  Bottom4 w6: v1(1646.51,5171.51) 1695,5220 2430,5220 v2(2510,5300) ; v2(2935,5302) 3607.08,5302 3610.08,5305 4280,5305 4465,5120 v2(4465,5020)
OTG_DIR: 7020.J2_69 U45.31 | length 3528.1
  Top1 w6: U45.31@1706.5,4838.5 1706.5,4808.5 1725,4790 v2(1740,4790) ; v2(1900,4860) 1900,4898.94 2721.06,5720 4141.07,5720 4559.49,5301.57 7020.J2_69@4559.49,5275
  Bottom4 w6: v2(1740,4790) 1765,4765 1820,4765 1900,4845 v2(1900,4860)
OTG_NXT: 7020.J2_65 U45.2 | length 3330.1
  Top1 w6: U45.2@1753,4885 1815,4885 1830,4900 v2(1860,4900) ; v2(2035,4895) 2035,5000 2725,5690 4108.07,5690 4496.5,5301.57 7020.J2_65@4496.5,5275
  Bottom4 w6: v2(1860,4900) 2027.84,4900 2032.84,4895 v2(2035,4895)
OTG_RESETN: 7020.J2_96 C231.2 R142.1 U45.27 | length 3875.9
  Top1 w6: U45.27@1626.5,4838.5 1626.5,4827.5 1630,4824 1630,4774.9 1630.48,4774.41 1659.16,4745.73 1663.16,4745.73 1671.84,4737.05 v2(1690.61,4737.05) ; v2@1691.95,4738.89 1713.89,4738.89 C231.2@1715,4740 ; v2(4750,5210) 4875.51,5210 4968.98,5116.53 7020.J2_96@4968.98,5089.96
  Bottom4 w6: v2(1690.61,4737.05) 2147.05,4737.05 2315,4905 2325,4905 2817,5397 4323.25,5397 4530.25,5190 4700,5190 4720,5210 v2(4750,5210)
OTG_STP: 7020.J2_67 U45.29 | length 3561.8
  Top1 w6: U45.29@1666.5,4838.5 1666.42,4838.42 1666.42,4785.74 1673.21,4778.95 v2(1673.21,4776.79) ; v2(1885,4795) 1920,4830 1920,4901.97 2723.03,5705 4124.57,5705 4527.99,5301.57 7020.J2_67@4527.99,5275
  Bottom4 w6: v2(1673.21,4776.79) 1700,4750 1840,4750 v2(1885,4795)